# Altium PCB ISS_LAB_PCB.PcbDoc (part 5 of 8) (continued)
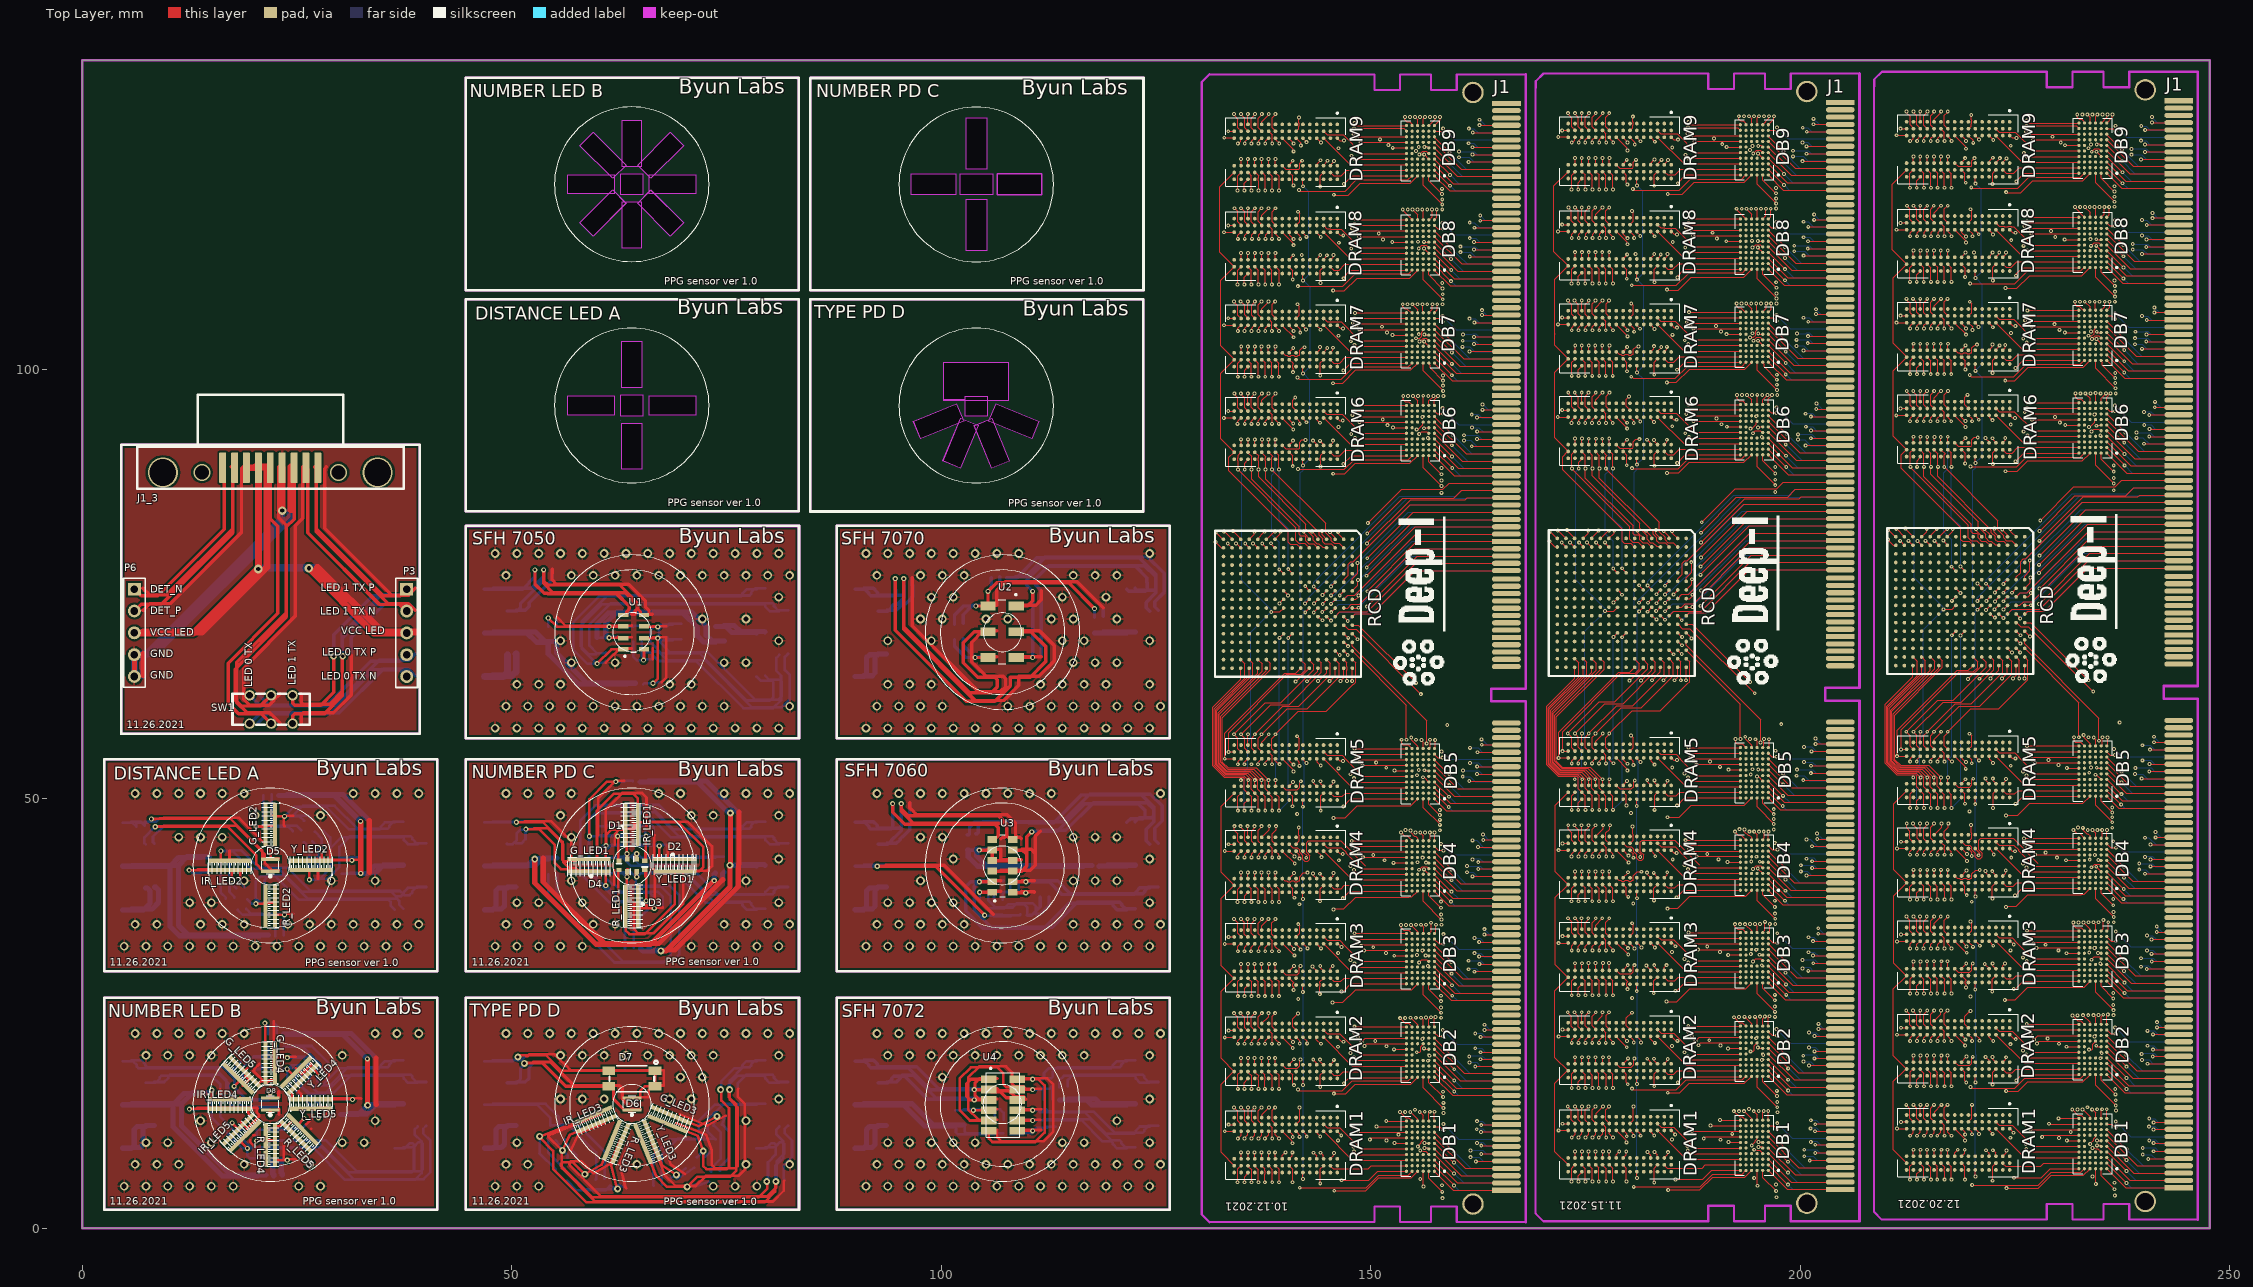
[diagram p0: Top Layer view]
## Nets (pads, with @x,y where several pads share a name; then routed paths per layer and width w, separated by ;. In a path a pad name is that pad's centre, name@x,y a point inside that pad or via, vN(x,y) a via of type N, cw(c..) or ccw(c..) an arc to the next point about the centre after c; other vN are vias at no path point) (continued)
212.803,28.436 212.799,28.44 212.799,28.76 212.803,28.764 212.803,29.018 213.185,29.4 ; v1(212.803,32.539) 212.803,33.097 213.105,33.4 213.185,33.4 ; v1@212.803,48.972 212.803,49.974 212.799,49.978 212.799,50.298 212.803,50.302 212.803,50.547 213.185,50.93 213.185,50.938 213.185,50.952 ; v1(212.803,54.306) 212.828,54.332 212.828,54.637 213.129,54.938 213.185,54.938 ; v1@212.803,99.341 v1(212.803,99.417) 212.803,100.435 212.799,100.439 212.799,100.759 212.803,100.763 212.803,100.992 213.185,101.374 213.185,101.399 ; v1(212.803,104.725) 212.803,105.03 213.171,105.399 213.185,105.399 ; v1(212.803,115.47) 212.803,115.876 213.151,116.224 213.185,116.224 ; v1(212.803,126.569) 212.904,126.569 213.158,126.823 213.158,127.164 213.185,127.191 ; 213.131,65.49 213.131,64.185 209.907,60.961 209.907,54.118 211.217,52.808 213.412,52.808 213.565,52.655 213.565,51.358 213.985,50.938 214.403,50.52 214.403,50.302 214.399,50.298 214.399,49.978 214.403,49.974 v1@214.403,49.023 ; 213.131,66.49 213.615,66.006 213.615,64.314 210.059,60.758 210.059,54.181 211.28,52.96 213.514,52.96 213.985,52.489 v1@213.985,52.452 ; v1@213.133,25.3 213.133,25.249 213.59,24.792 213.59,23.649 213.916,23.323 213.985,23.323 ; v1(213.133,47.093) 213.133,46.966 213.599,46.5 213.599,45.382 213.985,44.996 ; v1(213.133,108.18) 213.59,107.723 213.59,106.63 213.985,106.235 213.985,106.199 ; v1@213.158,97.436 213.158,97.385 213.59,96.953 213.59,95.81 213.981,95.419 213.985,95.419 ; v1(213.184,14.352) 213.59,13.946 213.59,12.803 213.985,12.408 213.985,12.371 ; v1(213.184,36.272) 213.571,35.885 213.571,34.538 213.91,34.2 213.985,34.2 ; v1(213.184,41.708) 213.184,40.996 213.185,40.995 ; v1(213.184,92.127) 213.185,92.126 213.185,91.419 ; v1(213.184,113.819) 213.185,113.817 213.185,113.024 ; v1(213.184,119.026) 213.59,118.619 213.59,117.451 213.985,117.056 213.985,117.024 ; v1@213.184,124.817 213.185,124.815 213.185,123.991 ; v1@213.184,129.973 213.184,129.897 213.59,129.49 213.59,128.424 213.985,128.029 213.985,127.991 ; 213.184,8.372 v1(213.184,9.12) ; 213.184,19.324 v1(213.184,20.093) ; 213.184,30.201 v1(213.184,31.04) ; 213.185,55.738 213.174,55.738 212.799,56.114 212.799,57.333 v1(212.345,57.786) 216.022,61.463 217.825,61.463 221.667,65.305 221.667,65.863 221.131,66.4 221.131,66.49 ; 213.185,90.619 213.149,90.619 212.828,90.298 212.828,90.009 212.799,89.979 212.799,89.659 212.828,89.629 v1(212.828,88.622) 212.828,88.596 219.575,81.849 219.575,80.376 219.905,80.046 220.575,80.046 221.131,79.49 ; 213.185,102.199 213.185,102.923 v1(213.209,102.947) ; v1@213.565,32.564 213.59,32.589 213.59,33.021 213.969,33.4 213.985,33.4 ; v1@213.565,48.998 213.565,49.734 213.968,50.138 213.985,50.138 ; v1@213.565,54.332 213.565,54.535 213.968,54.938 213.985,54.938 ; v1@213.565,110.186 213.565,110.999 213.985,111.42 213.985,111.424 ; v1@213.565,121.134 213.565,121.921 213.985,122.342 213.985,122.391 ; v1(213.59,5.64) 213.59,6.3 213.985,6.695 213.985,6.771 ; v1(213.59,10.745) 213.59,10.796 213.971,11.177 213.971,11.557 213.985,11.571 ; v1(213.59,16.511) 213.565,16.537 213.565,17.248 213.985,17.668 213.985,17.723 ; v1@213.59,21.794 213.59,22.099 213.985,22.494 213.985,22.523 ; v1(213.59,27.306) 213.59,28.205 213.985,28.6 ; v1@213.59,38.279 213.59,39.016 213.969,39.395 213.985,39.395 ; v1@213.59,43.486 213.615,43.511 213.615,43.842 213.969,44.195 213.985,44.195 ; v1@213.59,99.341 v1(213.59,99.417) 213.59,100.153 213.985,100.548 213.985,100.599 ; v1@213.59,104.751 213.59,105.03 213.959,105.399 213.985,105.399 ; v1@213.615,88.647 213.615,89.358 213.985,89.728 213.985,89.819 ; v1@213.615,93.956 213.615,94.261 213.974,94.619 213.985,94.619 ; v1@213.615,115.495 213.615,115.876 213.963,116.224 213.985,116.224 ; v1(213.615,126.569) 213.666,126.62 213.666,126.823 213.985,127.142 213.985,127.191 ; v1(213.666,79.999) 213.666,79.977 214.131,79.512 214.131,79.49 ; v1(213.946,36.272) 213.985,36.233 213.985,35 ; v1(213.946,47.093) 213.985,47.053 213.985,45.795 ; v1@213.971,25.3 213.985,25.286 213.985,24.123 ; v1(213.971,41.708) 213.985,41.694 213.985,40.995 ; v1@213.971,97.436 213.985,97.422 213.985,96.219 ; v1(213.971,102.947) 213.985,102.933 213.985,102.199 ; v1(213.971,108.18) 213.985,108.166 213.985,106.999 ; v1@213.971,119 213.985,118.986 213.985,117.824 ; v1(213.971,124.766) 213.985,124.752 213.985,123.991 ; v1@213.971,129.973 213.978,129.966 213.978,128.798 213.985,128.791 ; 213.985,7.571 213.985,7.506 214.403,7.088 214.403,6.935 214.399,6.931 214.399,6.611 214.403,6.607 v1(214.403,5.64) ; 213.985,8.371 213.991,8.377 213.991,9.114 v1(213.996,9.12) ; 213.985,13.171 213.991,13.177 213.991,14.347 v1(213.996,14.352) ; 213.985,18.523 213.985,18.453 214.403,18.035 214.403,17.887 214.399,17.883 214.399,17.563 214.403,17.559 v1(214.403,16.511) ; 213.985,19.323 213.991,19.329 213.991,20.087 v1(213.996,20.093) ; 213.985,30.2 213.991,30.206 213.991,31.034 v1(213.996,31.04) ; 213.985,40.195 214.377,39.803 v1@214.377,38.279 ; 213.985,51.738 213.985,52.415 v1(214.022,52.452) ; 213.985,55.738 213.985,55.766 213.59,56.161 213.59,57.354 213.184,57.761 v1(213.184,57.786) 216.638,61.241 218.772,61.241 222.531,65 222.531,66.09 222.131,66.49 ; 213.985,56.538 213.985,57.749 v1@213.996,57.761 ; 213.985,90.619 213.985,90.589 214.403,90.171 214.403,89.983 214.399,89.979 214.399,89.659 214.403,89.655 v1(214.403,88.622) 214.403,87.479 219.94,81.942 219.94,81.053 220.092,80.9 220.575,80.9 220.727,80.748 220.727,80.341 221.083,79.986 221.616,79.986 222.112,79.49 222.131,79.49 ; 213.985,91.419 213.996,91.43 v1(213.996,92.127) ; 213.985,101.399 213.985,101.333 214.377,100.941 v1(214.377,99.417) v1@214.377,99.341 ; 213.985,112.224 213.985,112.204 214.377,111.812 v1@214.377,110.212 ; 213.985,113.024 213.985,113.807 v1(213.996,113.819) ; 213.985,123.191 213.997,123.191 214.377,122.81 214.377,121.21 v1@214.403,121.185 ; 213.985,29.4 214.403,28.983 214.403,28.764 214.399,28.76 214.399,28.44 214.403,28.436 v1(214.403,27.306) ; 214.131,65.49 214.131,64.576 210.212,60.656 210.212,54.244 211.343,53.113 213.739,53.113 214.377,52.474 214.377,51.411 214.785,51.003 214.785,50.938 215.19,50.533 v1@215.19,48.947 ; 214.131,66.49 214.555,66.066 214.555,64.695 210.364,60.504 210.364,54.307 211.406,53.265 213.971,53.265 v1(214.784,52.452) 214.785,52.451 214.785,51.738 ; 214.131,80.49 214.733,81.092 v1(214.733,81.408) ; v1@214.352,32.589 214.377,32.615 214.377,33.021 214.756,33.4 214.785,33.4 ; v1@214.377,93.956 214.377,94.261 214.736,94.619 214.785,94.619 ; v1@214.377,126.646 214.403,126.671 214.403,126.9 214.694,127.191 214.785,127.191 ; v1(214.403,10.745) 214.785,11.128 214.785,11.571 ; v1@214.403,21.794 214.403,22.141 214.785,22.523 ; v1@214.403,43.511 214.403,43.867 214.731,44.195 214.785,44.195 ; v1@214.403,104.751 214.403,105.081 214.721,105.399 214.785,105.399 ; v1@214.454,115.52 214.428,115.546 214.428,115.952 214.7,116.224 214.785,116.224 ; v1(214.581,80.011) 214.595,80.011 215.116,79.49 215.131,79.49 ; v1(214.733,36.272) 214.733,36.095 214.375,35.737 214.375,34.624 214.785,34.214 214.785,34.2 ; v1(214.758,9.12) 214.772,9.107 214.772,8.384 214.785,8.371 ; v1(214.758,14.352) 214.399,13.992 214.399,12.782 214.785,12.395 214.785,12.371 ; v1(214.758,20.093) 214.772,20.079 214.772,19.336 214.785,19.323 ; v1(214.758,31.065) 214.772,31.052 214.772,30.213 214.785,30.2 ; v1(214.758,47.093) 214.758,46.89 214.399,46.53 214.399,45.319 214.723,44.995 214.785,44.995 ; v1@214.758,97.436 214.371,97.049 214.371,95.867 214.785,95.453 214.785,95.419 ; v1(214.784,25.325) 214.375,24.916 214.375,23.753 214.785,23.343 214.785,23.323 ; v1@214.784,41.683 214.784,40.996 214.785,40.995 ; v1@214.784,57.735 214.399,57.35 214.399,56.139 214.785,55.753 214.785,55.738 ; v1(214.784,57.786) 218.035,61.037 219.915,61.037 223.575,64.698 223.575,66.046 223.131,66.49 ; v1(214.784,92.102) 214.785,92.1 214.785,91.419 ; v1@214.784,102.922 214.785,102.921 214.785,102.199 ; v1@214.784,108.154 214.784,108.129 214.399,107.744 214.399,106.584 214.783,106.199 214.785,106.199 ; v1(214.784,113.819) 214.785,113.817 214.785,113.024 ; v1@214.784,119 214.377,118.594 214.377,117.476 214.785,117.069 214.785,117.024 ; v1@214.784,124.791 214.785,124.79 214.785,123.991 ; 214.785,7.571 214.785,7.493 215.19,7.088 215.19,5.665 v1(215.216,5.64) ; 214.785,18.523 214.785,18.44 215.216,18.01 215.216,17.9 215.199,17.883 215.199,17.563 215.216,17.546 v1(215.216,16.511) ; 214.785,29.4 215.19,28.995 215.19,27.332 v1(215.216,27.306) ; 214.785,40.195 214.785,40.132 215.19,39.727 v1@215.19,38.304 ; 214.785,90.619 214.793,90.619 215.216,90.197 215.216,89.996 215.199,89.979 215.199,89.659 215.216,89.642 v1@215.216,88.647 ; 214.785,101.399 214.785,101.371 215.19,100.966 v1(215.19,99.417) v1@215.19,99.391 ; 214.785,112.224 214.785,112.217 215.19,111.812 215.19,110.263 v1@215.216,110.237 ; 214.785,123.191 214.809,123.191 215.216,122.785 215.216,122.568 215.199,122.551 215.199,122.231 215.216,122.214 v1@215.216,121.185 ; 214.785,127.991 214.371,128.405 214.371,129.51 v1@214.809,129.948 ; 215.131,65.49 215.131,64.915 210.517,60.301 210.517,54.37 211.469,53.417 214.196,53.417 215.139,52.474 215.139,51.384 215.585,50.938 216.003,50.52 216.003,50.303 215.999,50.298 215.999,49.978 216.003,49.973 v1@216.003,48.972 ; 215.131,66.49 215.647,65.974 215.647,65.127 210.669,60.148 210.669,54.433 211.533,53.57 214.428,53.57 v1(215.546,52.452) 215.585,52.413 215.585,51.738 ; 215.131,80.49 215.131,80.576 215.901,81.346 v1(215.901,81.408) ; v1@215.165,54.357 215.165,54.518 215.585,54.938 ; v1@215.165,93.956 215.19,93.981 215.19,94.311 215.498,94.619 215.585,94.619 ; v1@215.19,21.82 215.19,22.175 215.538,22.523 215.585,22.523 ; v1@215.19,126.646 215.216,126.671 215.216,126.874 215.532,127.191 215.585,127.191 ; v1(215.216,10.745) 215.585,11.115 215.585,11.571 ; v1@215.216,32.615 215.216,33.021 215.585,33.391 215.585,33.4 ; v1@215.216,43.537 215.216,43.816 215.585,44.186 215.585,44.195 ; v1(215.216,88.622) 215.216,87.758 220.715,82.259 220.715,81.65 221.591,80.773 221.591,80.367 221.972,79.986 222.251,79.986 222.683,79.554 223.067,79.554 223.131,79.49 ; v1@215.216,104.776 215.216,105.106 215.508,105.399 215.585,105.399 ; v1@215.241,115.546 215.241,115.927 215.538,116.224 215.585,116.224 ; v1@215.546,102.922 215.546,102.238 215.585,102.199 ; v1@215.546,119 215.171,118.626 215.171,117.495 215.585,117.081 215.585,117.024 ; v1(215.571,9.12) 215.578,9.113 215.578,8.378 215.585,8.371 ; v1(215.571,14.352) 215.175,13.956 215.175,12.818 215.585,12.408 215.585,12.371 ; v1(215.571,20.093) 215.578,20.086 215.578,19.33 215.585,19.323 ; v1(215.571,31.065) 215.578,31.059 215.578,30.207 215.585,30.2 ; v1@215.571,41.683 215.585,41.669 215.585,40.995 ; v1@215.571,47.067 215.571,47.017 215.199,46.644 215.199,45.357 215.561,44.995 215.585,44.995 ; v1@215.571,57.71 215.19,57.329 215.19,56.135 215.585,55.74 215.585,55.738 ; v1(215.571,57.786) 218.543,60.758 220.905,60.758 224.639,64.492 224.639,65.982 224.131,66.49 ; v1(215.571,108.18) 215.19,107.799 215.19,106.63 215.585,106.236 215.585,106.199 ; v1(215.571,113.819) 215.571,113.038 215.585,113.024 ; v1(215.571,124.766) 215.585,124.752 215.585,123.991 ; 215.585,7.571 215.952,7.204 215.952,6.95 215.971,6.931 215.971,6.611 215.952,6.592 v1(215.952,5.64) ; 215.585,13.171 215.645,13.231 215.645,13.562 v1(216.435,14.352) ; 215.585,18.523 215.952,18.156 215.952,17.902 215.971,17.883 215.971,17.563 215.952,17.544 v1(215.952,16.511) ; 215.585,23.323 215.585,23.33 215.175,23.74 215.175,24.878 v1@215.597,25.3 ; 215.585,24.123 216.384,24.922 v1@216.384,25.3 ; 215.585,29.4 215.978,29.007 215.978,27.332 v1(215.952,27.306) ; 215.585,34.2 215.561,34.2 215.19,34.571 215.19,35.764 215.597,36.171 v1@215.597,36.247 ; 215.585,35 215.585,35.473 v1@216.359,36.247 ; 215.585,40.195 215.585,40.119 215.978,39.727 v1@215.978,38.304 ; 215.585,45.795 216.46,46.67 v1@216.46,47.067 ; 215.585,56.538 215.585,56.886 v1@216.409,57.71 ; 215.585,90.619 215.585,90.564 216.028,90.12 216.028,90.009 215.999,89.979 215.999,89.659 216.028,89.629 v1@216.028,88.673 ; 215.585,91.419 215.622,91.456 v1(215.622,92.102) ; 215.585,95.419 215.581,95.419 215.199,95.802 215.199,97.012 215.597,97.41 v1@215.597,97.436 ; 215.585,96.219 215.585,96.662 v1(216.384,97.461) ; 215.585,101.399 215.621,101.399 216.003,101.017 216.003,100.764 215.999,100.759 215.999,100.439 216.003,100.434 v1(216.003,99.417) v1@216.003,99.391 ; 215.585,106.999 215.585,107.355 v1@216.384,108.154 ; 215.585,112.224 215.616,112.224 216.003,111.837 216.003,111.589 215.999,111.584 215.999,111.264 216.003,111.259 v1@216.003,110.263 ; 215.585,117.824 215.585,118.201 v1@216.384,119 ; 215.585,123.191 215.622,123.191 216.003,122.81 216.003,122.556 215.999,122.551 215.999,122.231 216.003,122.226 v1@216.003,121.185 ; 215.585,127.991 215.585,128.003 215.199,128.39 215.199,129.524 v1@215.597,129.922 ; 215.585,128.791 215.585,129.098 v1@216.409,129.922 ; v1(215.647,80.011) 215.647,79.992 216.131,79.509 216.131,79.49 ; v1(215.952,10.745) 216.385,11.178 216.385,11.571 ; v1@215.978,21.845 215.978,22.099 216.385,22.507 216.385,22.523 ; v1@215.978,43.588 215.978,43.816 216.356,44.195 216.385,44.195 ; v1@215.978,54.332 216.003,54.357 216.003,54.56 216.381,54.938 216.385,54.938 ; v1@215.978,93.981 215.978,94.261 216.336,94.619 216.385,94.619 ; v1@216.003,32.615 216.003,33.021 216.382,33.4 216.385,33.4 ; v1@216.003,104.776 216.003,105.056 216.346,105.399 216.385,105.399 ; v1@216.003,126.62 216.028,126.646 216.028,126.9 216.32,127.191 216.385,127.191 ; v1(216.028,88.622) 216.028,87.504 222.264,81.269 222.264,80.968 222.683,80.548 222.683,80.208 222.728,80.164 222.734,80.164 222.937,79.96 223.674,79.96 224.131,79.503 224.131,79.49 ; v1@216.028,115.597 216.054,115.622 216.054,115.952 216.326,116.224 216.385,116.224 ; 216.131,65.49 216.131,65.204 210.821,59.894 210.821,54.523 211.622,53.722 214.657,53.722 215.978,52.401 215.978,51.436 216.385,51.029 216.385,50.938 216.385,50.876 216.79,50.471 216.79,48.972 v1@216.816,48.947 ; 216.131,66.49 216.562,66.059 216.562,65.279 211.012,59.729 211.012,54.548 211.685,53.875 214.962,53.875 216.36,52.477 216.385,52.477 216.385,51.738 ; 216.131,80.49 216.179,80.49 217.072,81.383 v1(217.121,81.383) ; v1(216.359,92.102) 216.385,92.075 216.385,91.419 ; v1@216.359,102.922 216.359,102.225 216.385,102.199 ; v1@216.359,113.844 v1(216.359,113.819) 216.359,113.05 216.385,113.024 ; v1@216.384,41.683 216.385,41.682 216.385,40.995 ; v1(216.384,124.766) 216.385,124.765 216.385,123.991 ; 216.385,7.571 216.385,7.544 216.816,7.113 216.816,6.948 216.799,6.931 216.799,6.611 216.816,6.594 v1(216.816,5.64) ; 216.385,8.371 216.41,8.396 216.41,9.095 v1(216.435,9.12) ; 216.385,12.371 216.79,11.966 216.79,10.771 v1(216.816,10.745) ; 216.385,18.523 216.385,18.466 216.816,18.035 216.816,17.9 216.799,17.883 216.799,17.563 216.816,17.546 v1(216.816,16.511) ; 216.385,19.323 216.41,19.348 216.41,20.068 v1(216.435,20.093) ; 216.385,23.323 216.79,22.918 216.79,21.896 v1@216.765,21.871 ; 216.385,29.4 216.816,28.969 216.816,28.777 216.799,28.76 216.799,28.44 216.816,28.423 v1(216.816,27.306) ; 216.385,30.2 216.41,30.225 216.41,31.041 v1(216.435,31.065) ; 216.385,34.2 216.385,34.138 216.79,33.732 v1@216.79,32.64 ; 216.385,40.195 216.398,40.195 216.816,39.778 216.816,39.572 216.799,39.555 216.799,39.235 216.816,39.218 v1@216.816,38.33 ; 216.385,44.995 216.385,44.933 216.816,44.502 216.816,44.372 216.799,44.355 216.799,44.035 216.816,44.018 v1@216.816,43.613 ; 216.385,55.738 216.385,55.677 216.79,55.272 v1@216.79,54.332 ; 216.385,90.619 216.862,90.142 216.775,90.054 v1(216.775,88.613) 223.013,82.375 223.013,81.279 223.674,80.619 223.674,80.341 224.004,80.011 224.61,80.011 225.131,79.49 ; 216.385,95.419 216.385,95.403 216.79,94.997 v1@216.79,94.007 ; 216.385,101.399 216.385,101.397 216.765,101.017 216.765,100.766 216.771,100.759 216.771,100.439 216.765,100.432 v1(216.765,99.417) v1@216.765,99.391 ; 216.385,106.199 216.385,106.147 216.765,105.767 216.765,105.566 216.771,105.559 216.771,105.239 216.765,105.232 v1@216.765,104.802 ; 216.385,112.224 216.385,112.217 216.765,111.837 216.765,111.591 216.771,111.584 216.771,111.264 216.765,111.257 v1@216.765,110.237 ; 216.385,117.024 216.385,116.993 216.79,116.587 v1@216.79,115.622 ; 216.385,123.191 216.385,123.165 216.79,122.759 v1@216.79,121.185 ; 216.385,127.991 216.79,127.585 216.79,126.646 v1@216.816,126.62 ; v1(216.663,80.037) 216.663,79.997 217.131,79.53 217.131,79.49 ; v1(216.689,72.036) 217.677,72.036 218.131,72.49 ; 217.131,80.49 217.756,81.115 v1(217.756,81.383) ; v1(217.146,9.12) 217.165,9.1 217.165,8.391 217.185,8.371 ; v1(217.146,14.352) 216.79,13.997 216.79,12.803 217.185,12.408 217.185,12.371 ; v1(217.146,20.093) 217.165,20.073 217.165,19.343 217.185,19.323 ; v1@217.146,25.3 216.799,24.952 216.799,23.717 217.185,23.33 217.185,23.323 ; v1(217.146,31.065) 217.165,31.046 217.165,30.22 217.185,30.2 ; v1(217.146,108.18) 216.799,107.832 216.799,106.622 217.185,106.236 217.185,106.199 ; v1@217.171,36.222 216.771,35.822 216.771,34.539 217.11,34.2 217.185,34.2 ; v1@217.171,41.683 217.171,41.009 217.185,40.995 ; v1@217.171,57.685 216.771,57.285 216.771,56.129 217.162,55.738 217.185,55.738 ; v1(217.171,57.786) 219.838,60.453 223.115,60.453 226.249,63.587 226.276,63.587 226.515,63.826 226.515,66.106 226.131,66.49 ; v1(217.171,92.127) 217.185,92.113 217.185,91.419 ; v1(217.171,113.819) 217.171,113.038 217.185,113.024 ; v1(217.171,119.026) 216.79,118.645 216.79,117.451 217.185,117.056 217.185,117.024 ; v1@217.171,129.922 216.79,129.541 216.79,128.398 217.185,128.004 217.185,127.991 ; 217.185,7.571 217.603,7.153 217.603,6.936 217.599,6.931 217.599,6.611 217.603,6.606 v1(217.603,5.64) ; 217.185,11.571 217.185,11.164 v1(217.603,10.745) ; 217.185,18.523 217.603,18.105 217.603,17.888 217.599,17.883 217.599,17.563 217.603,17.558 v1(217.603,16.511) ; 217.185,22.523 217.185,22.314 v1@217.603,21.896 ; 217.185,29.4 217.603,28.982 217.603,28.765 217.599,28.76 217.599,28.44 217.603,28.435 v1(217.603,27.306) ; 217.185,33.4 217.185,33.084 v1@217.603,32.666 ; 217.185,40.195 217.603,39.777 217.603,39.56 217.599,39.555 217.599,39.235 217.603,39.23 v1@217.603,38.33 ; 217.185,44.195 217.578,43.802 v1@217.578,43.613 ; 217.185,44.995 217.161,44.995 216.79,45.366 216.79,46.204 217.248,46.661 v1@217.248,47.042 ; 217.185,50.938 217.185,50.889 217.603,50.471 217.603,50.303 217.599,50.298 217.599,49.978 217.603,49.973 v1(217.603,48.896) ; 217.185,51.738 217.197,51.75 v1(217.197,52.452) v1@217.197,52.528 ; 217.185,54.938 217.185,54.699 217.571,54.313 v1(217.675,54.313) ; 217.185,90.619 217.232,90.619 217.578,90.273 217.578,88.673 v1@217.603,88.647 ; 217.185,94.619 217.185,94.399 v1@217.578,94.007 ; 217.185,95.419 217.185,95.441 216.799,95.827 216.799,97.037 v1@217.197,97.436 ; 217.185,101.399 217.185,101.384 217.578,100.992 v1(217.578,99.417) ; 217.185,102.199 217.185,102.91 v1@217.197,102.922 ; 217.185,105.399 217.185,105.245 v1@217.603,104.827 ; 217.185,112.224 217.191,112.224 217.603,111.812 217.603,111.589 217.599,111.584 217.599,111.264 217.603,111.259 v1@217.603,110.263 ; 217.185,116.224 217.185,116.04 v1@217.603,115.622 ; 217.185,123.191 217.185,123.178 217.603,122.759 217.603,122.556 217.599,122.551 217.599,122.231 217.603,122.226 v1@217.603,121.235 ; 217.185,123.991 217.185,124.754 v1(217.197,124.766) ; 217.185,127.191 217.185,127.089 v1@217.629,126.646 ; v1(217.629,76.989) 217.63,76.989 218.129,76.49 218.131,76.49 ; v1(217.654,69.013) 218.131,69.49 ; v1(217.654,73.026) 218.118,73.49 218.131,73.49 ; 217.985,8.371 217.985,8.765 v1(218.34,9.12) ; 217.985,11.571 219.134,10.422 219.134,10.23 v1(219.178,10.187) ; 217.985,19.323 218.371,18.937 219.745,18.937 219.999,19.19 219.999,19.846 v1(220.092,19.94) ; 217.985,22.523 217.985,22.501 219.203,21.283 v1(219.203,21.261) ; 217.985,30.2 218.371,29.814 219.745,29.814 219.971,30.04 219.971,30.69 v1(220.092,30.811) ; 217.985,33.4 218.011,33.4 219.355,32.056 v1(219.381,32.056) ; 217.985,40.995 218.263,40.717 218.516,40.717 218.625,40.609 218.945,40.609 219.054,40.717 219.316,40.717 219.425,40.609 219.745,40.609 219.854,40.717 219.991,40.717 219.991,41.229 220.445,41.683 v1(220.905,41.683) ; 217.985,51.738 218.371,51.352 219.745,51.352 219.999,51.605 219.999,52.175 v1(220.143,52.32) ; 217.985,54.938 219.236,53.687 219.236,53.512 v1(219.28,53.468) ; 217.985,91.419 217.985,91.415 218.391,91.009 219.889,91.009 219.991,91.111 219.991,91.771 220.27,92.051 v1(220.677,92.051) ; 217.985,94.619 217.985,94.579 219.254,93.31 v1(219.254,93.27) ; 217.985,102.199 218.047,102.199 218.34,101.906 218.531,101.906 218.625,101.813 218.945,101.813 219.039,101.906 219.331,101.906 219.425,101.813 219.745,101.813 219.839,101.906 219.991,101.906 219.991,102.49 220.308,102.808 220.537,102.808 v1(220.575,102.846) ; 217.985,105.399 217.985,105.367 219.305,104.047 v1(219.305,104.014) ; 217.985,116.224 219.261,114.948 219.261,114.777 v1(219.305,114.733) ; 217.985,123.991 218.378,123.598 219.915,123.598 219.991,123.674 219.991,124.283 220.27,124.563 v1(220.296,124.563) ; 217.985,127.191 219.261,125.915 219.261,125.699 v1(219.305,125.655) ; 217.986,44.195 v1(219.432,42.749) ; 218.131,74.49 218.645,73.976 v1(218.645,73.941) ; v1(218.67,68.988) 218.67,69.029 219.131,69.49 ; v1(218.67,77.014) 218.67,76.983 219.131,76.522 219.131,76.49 ; 218.785,7.571 218.785,7.532 219.171,7.145 219.171,5.647 v1(219.178,5.64) ; 218.785,8.371 219.153,8.739 v1(219.153,9.12) ; 218.785,11.571 219.191,11.165 219.191,10.91 v1(219.203,10.898) ; 218.785,18.523 219.178,18.13 219.178,17.157 219.33,17.005 v1(219.33,16.943) ; 218.785,19.323 218.785,19.359 219.356,19.93 v1(219.356,19.966) ; 218.785,22.523 218.785,22.47 219.229,22.026 v1(219.229,21.972) ; 218.785,29.4 219.305,28.88 219.305,28.867 219.199,28.76 219.199,28.44 219.305,28.333 v1(219.305,28.017) ; 218.785,30.2 218.785,30.233 219.33,30.778 v1(219.33,30.811) ; 218.785,33.4 218.785,33.382 219.356,32.811 v1(219.356,32.793) ; 218.785,40.195 219.175,39.805 219.175,38.968 v1(219.381,38.762) ; 218.785,40.995 218.785,41.028 219.356,41.599 v1(219.356,41.632) ; 218.785,44.195 218.785,44.189 219.407,43.568 v1(219.407,43.562) ; 218.785,44.995 219.199,44.581 219.745,44.581 219.999,44.328 219.999,44.035 220.379,43.655 220.379,43.249 220.611,43.017 220.939,43.017 221.172,43.249 221.172,43.662 220.799,44.035 220.799,45.155 221.025,45.381 224.776,45.381 227.665,42.492 ; 218.785,50.938 218.813,50.938 219.178,50.573 v1(219.178,49.404) ; 218.785,51.738 218.785,51.772 219.229,52.215 v1(219.229,52.249) ; 218.785,54.938 218.853,54.87 218.853,54.657 219.254,54.256 v1(219.305,54.256) ; 218.785,90.619 219.203,90.201 219.203,89.984 219.199,89.979 219.199,89.659 219.203,89.654 v1(219.203,89.003) ; 218.785,91.419 218.785,91.475 219.229,91.919 v1(219.229,91.975) ; 218.785,94.619 218.822,94.582 218.822,94.337 219.203,93.956 v1(219.254,93.956) ; 218.785,101.399 219.229,100.955 219.229,100.789 219.199,100.759 219.199,100.439 219.229,100.409 v1(219.229,99.95) ; 218.785,102.199 218.785,102.25 219.254,102.719 v1(219.254,102.77) ; 218.785,105.399 218.785,105.307 219.305,104.787 v1(219.305,104.725) ; 218.785,112.224 218.785,112.18 219.203,111.761 219.203,111.589 219.199,111.584 219.199,111.264 219.203,111.259 v1(219.203,110.72) ; 218.785,113.024 218.785,113.06 219.254,113.529 v1(219.254,113.565) ; 218.785,116.224 218.829,116.18 218.829,115.895 219.28,115.444 v1(219.305,115.444) ; 218.785,123.191 218.785,123.178 219.178,122.785 219.178,121.896 219.236,121.838 219.236,121.736 v1(219.28,121.693) ; 218.785,123.991 218.785,124.083 219.203,124.501 v1(219.203,124.563) ; 218.785,127.191 218.785,127.14 219.305,126.62 v1(219.305,126.569) ; v1(219.483,97.004) 219.178,96.699 219.178,95.861 219.585,95.454 219.585,95.419 ; v1(219.534,63.933) 219.574,63.933 221.131,65.49 ; 219.585,11.571 219.966,11.19 219.966,10.948 v1(219.991,10.923) ; 219.585,12.371 219.991,12.777 v1(219.991,14.352) ; 219.585,22.523 220.016,22.092 v1(220.016,21.794) ; 219.585,23.323 219.175,23.733 219.175,24.687 219.762,25.274 v1(219.813,25.274) ; 219.585,33.4 219.585,33.336 220.118,32.804 v1(220.118,32.742) ; 219.585,34.2 219.991,34.606 219.991,35.474 219.838,35.626 v1(219.838,35.688) ; 219.585,44.195 219.585,44.143 219.975,43.753 v1(219.975,43.313) ; 219.585,44.995 219.971,45.381 219.971,45.955 219.889,46.037 v1(219.889,46.94) ; 219.585,54.938 219.975,54.548 v1(219.975,54.113) ; 219.585,55.738 219.971,56.124 219.971,57.298 v1(219.711,57.558) ; 219.585,94.619 220.007,94.197 220.007,93.94 v1(220.016,93.93) ; 219.585,105.399 220.067,104.917 v1(220.067,104.548) ; 219.585,106.199 219.971,106.585 219.971,107.615 v1(219.737,107.85) ; 219.585,116.224 220.067,115.742 v1(220.067,115.47) ; 219.585,117.024 219.991,117.43 219.991,118.42 219.813,118.598 v1(219.813,118.619) ; 219.585,127.191 220.143,126.633 v1(220.143,126.341) ; 219.585,127.991 219.634,127.991 219.915,128.271 219.915,128.574 219.971,128.631 219.971,128.951 219.915,129.008 v1(219.915,129.592) ; v1(219.737,99.315) 219.94,99.112 224.868,99.112 226.307,100.552 232.631,100.552 233.088,101.009 ; v1(219.788,109.958) 224.995,109.958 226.468,111.431 232.685,111.431 233.088,111.834 ; v1(219.813,16.435) 219.94,16.308 224.969,16.308 226.112,17.451 232.67,17.451 233.088,17.869 ; v1(219.813,88.673) 219.864,88.622 225.198,88.622 226.341,89.765 232.624,89.765 233.088,90.229 ; v1(219.915,121.159) 220.042,121.032 225.299,121.032 226.587,122.319 232.606,122.319 233.088,122.801 ; v1(220.016,5.005) 227.738,5.005 229.211,6.478 232.649,6.478 233.088,6.917 ; v1(220.372,27.789) 220.385,27.802 220.385,28.6 ; v1(220.372,49.353) 220.385,49.367 220.385,50.138 ; 220.385,6.771 220.385,6.033 v1(220.397,6.021) ; 220.385,11.571 220.829,11.127 v1(220.829,10.949) ; 220.385,17.723 220.397,17.711 v1(220.397,16.968) ; 220.385,22.523 220.875,22.033 v1(220.875,21.813) ; 220.385,33.4 220.43,33.4 220.911,32.92 v1(220.911,32.872) ; 220.385,39.395 220.385,38.621 v1(220.397,38.609) ; 220.385,44.195 220.385,44.139 220.882,43.642 220.775,43.535 v1(220.775,43.413) ; 220.385,54.938 220.385,54.908 220.804,54.489 v1(220.804,54.459) ; 220.385,89.819 220.385,89.091 v1(220.397,89.079) ; 220.385,94.619 220.385,94.56 220.778,94.167 v1(220.778,94.108) ; 220.385,100.599 220.385,99.81 v1(220.397,99.798) ; 220.385,105.333 v1@220.753,104.965 ; 220.385,111.424 220.385,110.63 v1(220.397,110.618) ; 220.385,116.224 220.385,116.153 220.778,115.76 v1(220.778,115.698) ; 220.385,122.391 220.385,121.603 v1(220.397,121.591) ; 220.385,127.191 220.385,127.166 220.804,126.747 v1(220.804,126.722) ; v1(220.473,81.383) 220.517,81.339 220.517,81.174 221.131,80.56 221.131,80.49 ; v1(220.626,73.001) 220.634,73.001 221.123,73.49 221.131,73.49 ; v1(220.651,71.985) 221.131,72.465 221.131,72.49 ; v1(220.651,75.033) 220.651,75.001 221.131,74.522 221.131,74.49 ; v1(220.854,63.958) 220.931,63.958 222.099,65.127 222.099,65.458 222.131,65.49 ; v1(221.439,81.383) 222.074,80.748 222.074,80.547 222.131,80.49 ; v1(221.489,30.761) 221.489,30.728 221.985,30.233 221.985,30.2 ; v1(221.566,41.581) 221.609,41.537 221.609,41.371 221.985,40.995 ; v1(221.566,91.975) 221.985,91.555 221.985,91.419 ; v1(221.591,19.915) 221.985,19.521 221.985,19.323 ; v1(221.591,52.351) 221.635,52.307 221.635,52.088 221.985,51.738 ; v1(221.616,9.069) 221.985,8.7 221.985,8.371 ; v1(221.642,71.959) 221.642,71.98 222.131,72.469 222.131,72.49 ; v1(221.642,75.007) 221.642,74.993 222.131,74.504 222.131,74.49 ; v1(221.667,73.001) 221.667,73.014 222.131,73.477 222.131,73.49 ; 221.985,11.571 221.985,11.393 v1(222.404,10.974) ; 221.985,22.523 221.947,22.485 221.947,22.252 222.429,21.769 v1(222.48,21.769) ; 221.985,33.4 221.985,33.382 222.48,32.887 v1(222.48,32.869) ; 221.985,44.195 222.487,43.693 222.487,43.53 v1(222.531,43.486) ; 221.985,54.938 222.053,54.87 222.053,54.556 v1(222.455,54.154) ; 221.985,94.619 222.048,94.556 222.048,94.362 222.353,94.057 v1(222.378,94.057) ; 221.985,102.199 222.378,102.592 v1(222.378,102.871) ; 221.985,105.399 221.985,105.36 222.429,104.916 v1(222.429,104.878) ; 221.985,113.024 221.985,113.109 222.404,113.528 v1(222.404,113.59) ; 221.985,116.224 221.985,116.183 222.455,115.714 v1(222.455,115.673)